# Altium PCB RPI_Gateway 1.0.2.PcbDoc (part 2 of 2)
Units mil, origin at the board's own origin, x right, y up, seen from the top; angles counter-clockwise.
Board outline 3746 x 4465 mil, 2 copper layers (Top Layer, Bottom Layer); 79 components, 100 nets, 612 pads, 56 vias.
Unrouted connection lines stored in the file: 67.
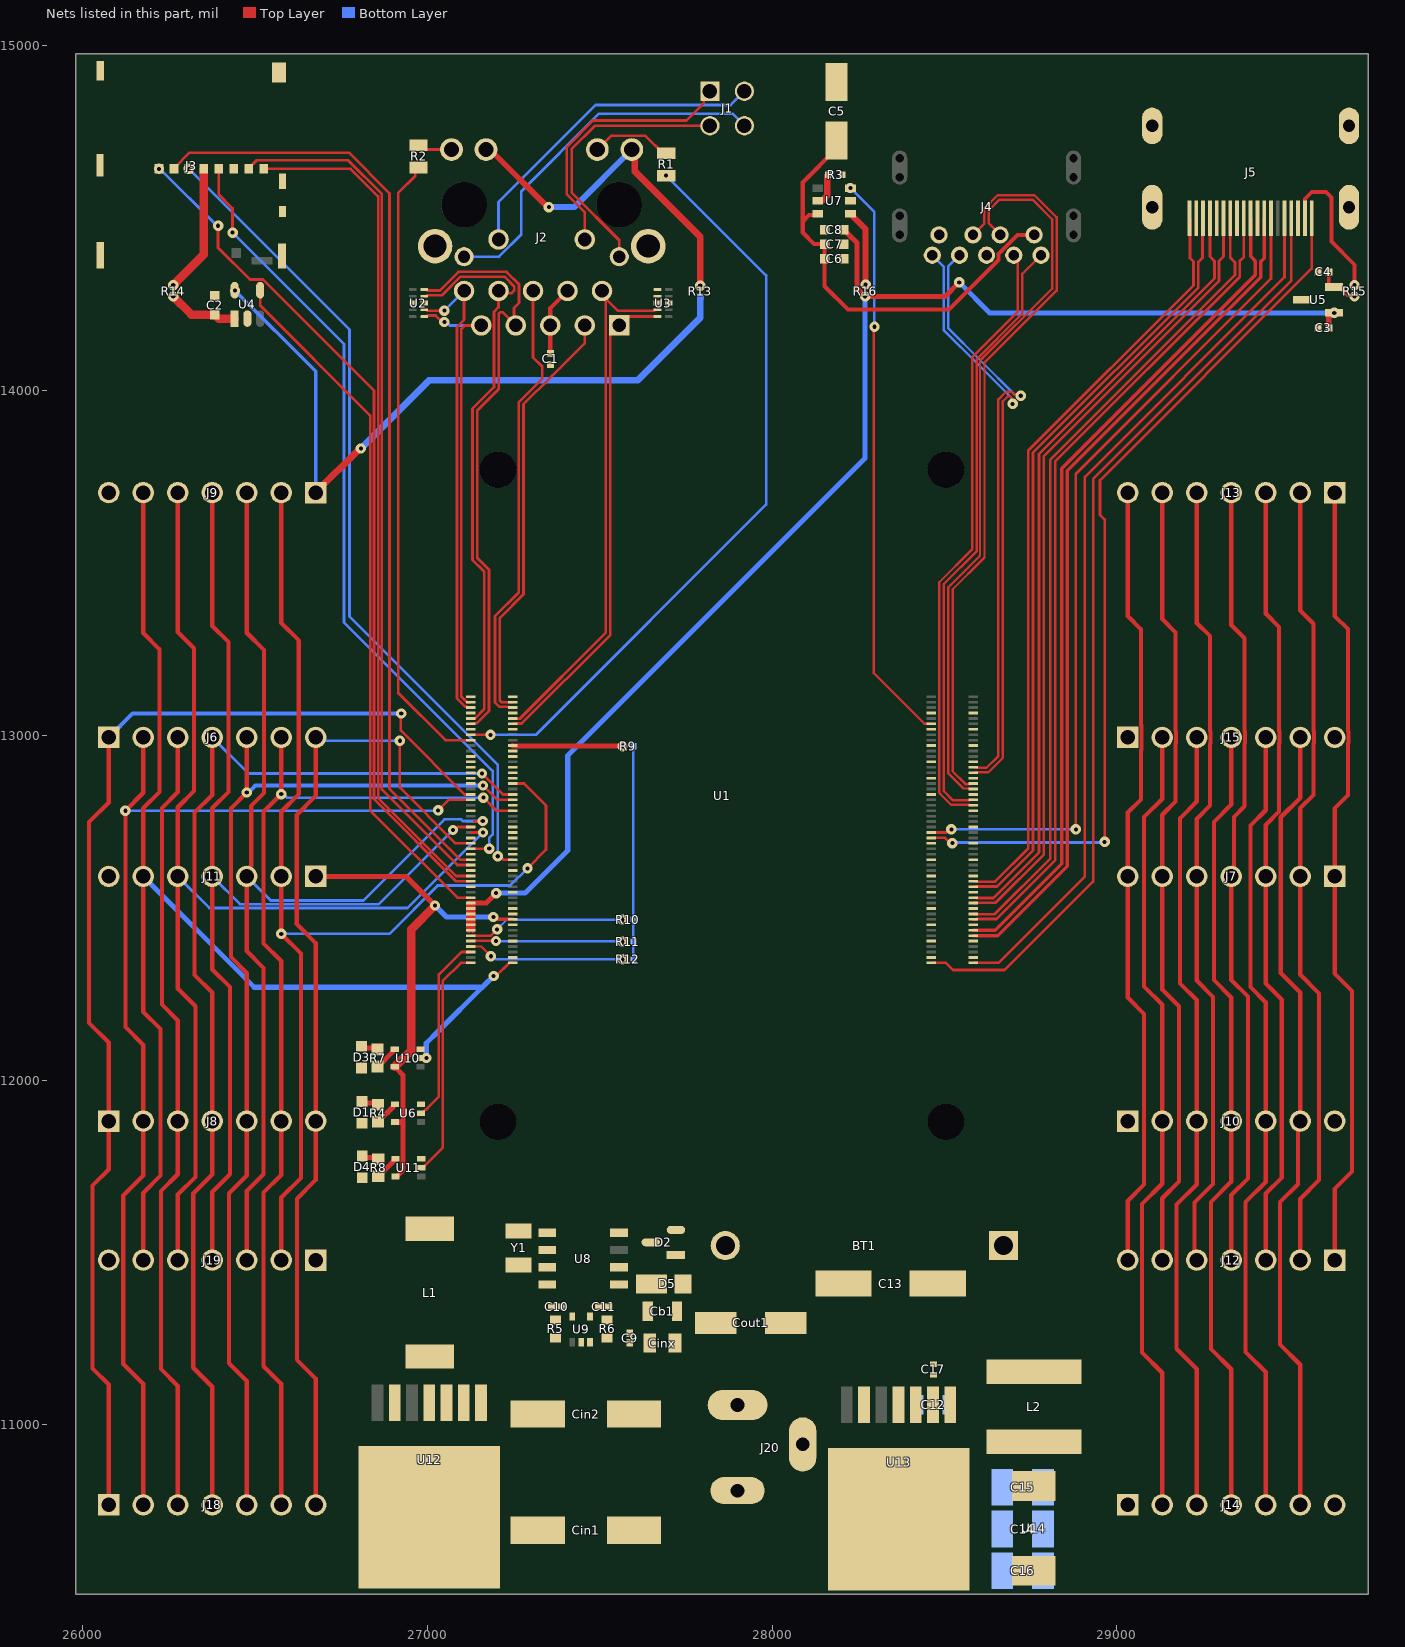
[diagram p2: the nets of this part, all layers, seen from the top]

## Via types
v1: diameter 30, hole 12, Top Layer to Bottom Layer, 56 vias

## Nets (pads, with @x,y where several pads share a name; then routed paths per layer and width w, separated by ;. In a path a pad name is that pad's centre, name@x,y a point inside that pad or via, vN(x,y) a via of type N, cw(c..) or ccw(c..) an arc to the next point about the centre after c; other vN are vias at no path point)
1-D_N: J4.2 U1.136 | length 2127.1
  Top Layer w7: U1.136@28583.35,12843.94 28573.5,12843.94 28572.13,12845.31 28555.3,12845.31 28514.81,12885.81 28511,12889.62 28511,13428.38 28518.62,13436 28599.19,13516.58 28603,13520.38 28603,14085.47 28610.62,14093.09 28812,14294.47 28812,14496 28755,14553 28659.67,14553 28628.67,14522 28628.67,14483.51 J4.2@28661.54,14450.64
1-D_P: J4.3 U1.134 | length 2148.6
  Top Layer w7: J4.3@28582.8,14450.64 28615.67,14483.51 28615.67,14527.38 28654.29,14566 28760.38,14566 28821.19,14505.19 28825,14501.38 28825,14289.09 28616,14080.09 28616,13515 28612.19,13511.19 28524,13423 28524,12895 28560.69,12858.31 28572.13,12858.31 28573.5,12859.69 U1.134@28583.35,12859.69
1-Rx_N: J4.6 U1.128 | length 1717
  Top Layer w7: U1.128@28583.35,12906.93 28593.19,12906.93 28594.56,12905.56 28621.93,12905.56 28656.32,12939.94 28656.32,13973.76 28678.42,13995.87 28694.99,13995.87 28702.9,13987.96 28717.04,13987.96 v1(28721,13984)
  Bottom Layer w7: J4.6@28543.43,14391.58 28510.56,14358.71 28510.56,14180.29 28603.85,14087.01 28702.9,13987.96 28717.04,13987.96 v1(28721,13984)
1-Rx_P: J4.5 U1.130 | length 1717
  Top Layer w7: U1.130@28583.35,12891.18 28593.19,12891.18 28594.56,12892.56 28627.32,12892.56 28669.32,12934.55 28669.32,13968.38 28683.81,13982.87 28689.6,13982.87 28693.71,13978.77 28693.71,13964.63 v1(28697.67,13960.67)
  Bottom Layer w7: J4.5@28464.69,14391.58 28497.56,14358.71 28497.56,14174.91 28598.47,14074.01 28693.71,13978.77 28693.71,13964.63 v1(28697.67,13960.67)
1-Tx_N: J4.9 U1.140 | length 1767.3
  Top Layer w7: U1.140@28583.35,12812.44 28573.5,12812.44 28572.13,12811.07 28524.93,12811.07 28498,12838 28498,13438 28593,13533 28593,14089.62 28718.38,14215 28726,14222.62 28726,14337.93 28743.36,14355.29 J4.9@28779.65,14391.58
1-Tx_P: J4.8 U1.142 | length 1771.6
  Top Layer w7: U1.142@28583.35,12796.69 28573.5,12796.69 28572.13,12798.07 28519.55,12798.07 28488.81,12828.81 28485,12832.62 28485,13443.38 28580,13538.38 28580,14095 28713,14228 28713,14367.86 28700.91,14379.95 J4.8@28700.91,14391.58
"+3V3 A": C10.1 C11.1 D2.1 J10.1 J11.1 J14.1 R5.2 U1.84 U6.5 U10.5 U11.5 | length 1500.5
  Top Layer w10: v1(27192,12473) 27197.41,12473 27204.43,12465.98 U1.84@27247.91,12465.98
  Top Layer w15: J11.1@26677,12590.61 26938.39,12590.61 v1(27023,12506) ; U6.5@26907.2,11878.41 26907.96,11877.64 26929.5,11877.64 26930.51,11876.64 ; U11.5@26908.2,11720.41 26911.74,11720.41 26930.51,11739.18 26930.51,11876.64 ; U10.5@26909.74,12038.41 26910.51,12037.64 26910.51,12034.1 26930.51,12014.1 26930.51,11876.64
  Top Layer w25: U10.5@26906.2,12038.41 26953.69,12085.9 26953.69,12436.69 v1(27023,12506)
  Bottom Layer w15: v1(27023,12506) 27056,12473 v1(27192,12473)
"+3V3 B": J9.1 J15.1 J19.1 R13.1 U1.86 U4.5 | length 2070.5
  Top Layer w10: U4.5@26442.01,14290.07 26443,14289.08 v1(26443,14289)
  Top Layer w20: J9.1@26677,13703.21 26804.79,13831 v1(26808,13831)
  Bottom Layer w10: v1(26443,14289) 26677,14055 J9.1@26677,13703.21
  Bottom Layer w20: v1(26808,13831) 27006,14029 27610,14029 27792,14211 R13.1@27792,14272
+5: C3.1 C8.2 C14.2 C15.2 C16.2 L2.2 R16.2 U1.77 U1.79 U1.81 U1.83 U1.85 U1.87 U5.1 U13.6 | length 4156.1
  Top Layer w15: U1.87@27120.65,12434.49 27120.65,12497.48 U1.77@27120.65,12513.23 ; U1.77@27126.65,12513.23 27171.23,12513.23 v1(27200,12542) ; U1.87@27132.65,12434.49 U1.77@27132.65,12513.23 ; C8.2@28207.56,14466 28224.45,14449.11 28224.85,14449.11 28246,14427.97 28246,14296 v1(28270,14272) 28502,14272 v1(28543,14313) ; C3.1@29614.25,14181 29614.25,14221 29617.75,14224.5 v1(29630,14224.5)
  Bottom Layer w15: v1(27200,12542) 27284,12542 27408,12666 27408,12941 28270,13803 v1(28270,14272) ; v1(28543,14313) 28631.5,14224.5 v1(29630,14224.5)
+12: C13.2 C17.2 Cin1.2 Cin2.2 Cinx.1 J20.1 U12.2 U13.2
CK_N: J5.12 U1.190 | length 2471.2
  Top Layer w10: U1.190@28583.35,12418.74 28654.24,12418.74 28855.92,12620.42 28855.92,13766.65 29416.95,14327.67 29416.95,14373.33 29426.98,14383.36 J5.12@29426.98,14499
CK_P: J5.10 U1.188 | length 2446.6
  Top Layer w10: U1.188@28583.35,12434.49 28647.72,12434.49 28840.18,12626.95 28840.18,13773.18 29401.2,14334.2 29401.2,14374.8 29387.61,14388.39 J5.10@29387.61,14499
D0_N: J5.9 U1.184 | length 2396.9
  Top Layer w8: U1.184@28583.35,12465.98 28593.06,12465.98 28593.94,12466.86 28650.66,12466.86 28821,12637.2 28821,13793 29356,14328 29356,14375 29367.92,14386.92 J5.9@29367.92,14499
D0_P: J5.7 U1.182 | length 2374.4
  Top Layer w8: U1.182@28583.35,12481.73 28593.06,12481.73 28593.94,12480.86 28644.86,12480.86 28807,12643 28807,13798.8 29342,14333.8 29342,14371 29328.55,14384.45 J5.7@29328.55,14499
D1_N: J5.6 U1.178 | length 2323.6
  Top Layer w8: U1.178@28583.35,12513.23 28593.06,12513.23 28593.94,12514.1 28647.9,12514.1 28788,12654.2 28788,13809 29296.18,14317.18 29296.18,14375.18 29308.86,14387.86 J5.6@29308.86,14499
D1_P: J5.4 U1.176 | length 2301.1
  Top Layer w8: U1.176@28583.35,12528.98 28593.06,12528.98 28593.94,12528.1 28642.1,12528.1 28774,12660 28774,13814.8 29283,14323.8 29283,14374 29269.49,14387.51 J5.4@29269.49,14499
D2_N: J5.3 U1.172 | length 2254.4
  Top Layer w8: U1.172@28583.35,12560.47 28593.06,12560.47 28593.94,12561.35 28652.15,12561.35 28756.9,12666.1 28756.9,13819.1 29236,14298.2 29236,14372 29248.3,14384.3 29248.3,14497.49 J5.3@29249.81,14499
D2_P: J5.1 U1.170 | length 2230.2
  Top Layer w8: U1.170@28583.35,12576.22 28593.06,12576.22 28593.94,12575.35 28646.35,12575.35 28742.9,12671.9 28742.9,13824.9 29222,14304 29222,14373 29211.95,14383.05 29211.95,14497.49 J5.1@29210.44,14499
EEPROM_nWP: R9.1 U1.20 | length 319.4
  Top Layer w15: U1.20@27247.91,12969.92 27248.87,12968.96 27565.54,12968.96 v1(27566.5,12968)
GND: BT1.1 C1.2 C2.1 C3.2 C4.2 C5.1 C6.1 C7.1 C8.1 C9.2 C10.2 C13.1 C14.1 C15.1 C16.1 C17.1 Cin1.1 Cin2.1 Cinx.2 Cout1.1 D1.1 D3.1 D4.1 D5.2 J2.S1 J2.S2 J3.6 J3.11 J3.12 J3.13 J3.14 J3.15 J3.16 J3.17 J4.4 J4.7 J5.2 J5.5 J5.8 J5.11 J5.17 J5.Shell J9.7 J10.7 J11.7 J14.7 J15.7 J19.7 J20.2 J20.3 R3.2 R9.2 R10.2 R11.2 R12.2 U1.1 U1.2 U1.7 U1.8 U1.13 U1.14 U1.22 U1.23 U1.32 U1.33 U1.42 U1.43 U1.52 U1.53 U1.59 U1.60 U1.65 U1.66 U1.71 U1.74 U1.98 U1.107 U1.108 U1.113 U1.114 U1.119 U1.120 U1.125 U1.126 U1.131 U1.132 U1.137 U1.138 U1.144 U1.150 U1.155 U1.156 U1.161 U1.162 U1.167 U1.168 U1.173 U1.174 U1.179 U1.180 U1.185 U1.186 U1.191 U1.192 U1.197 U1.198 U2.3@26991.44,14253 U2.8@26958.56,14253 U3.3@27668,14253 U3.8@27700.87,14253 U4.2 U5.3 U6.3 U7.2 U8.4 U9.3 U10.3 U11.3 U12.4 U12.8 U13.4 U13.8 U14.2 | length 618
  Bottom Layer w7.87: R12.2@27598,12350 R9.2@27598,12968
HDMI_PWR: C4.1 R15.1 U5.2 | length 126.4
  Top Layer w11.02: C4.1@29614.25,14343 29614.25,14304.99 29619.74,14299.5 U5.2@29630,14299.5 29645,14299.5 29668.87,14275.63 29685.37,14275.63 v1(29689,14272)
"Modem Reset": J9.6 J10.6 J11.6 J14.6 J15.6 J19.6 U1.92 U1.100 U10.2 | length 6143
  Top Layer w7.87: v1(27193,12302) 27197.23,12306.23 27204.3,12306.23 27238.07,12340 U1.100@27247.91,12340
  Top Layer w12: J19.6@26177,11478 26177,11673 26227,11723 26227,12148 26177,12198 J11.6@26177,12590.61 26177,12788.32 26224,12835.32 26224,13249 26177,13296 J9.6@26177,13703.21 ; J14.6@29531.42,10768.39 29531.42,11174.58 29473,11233 29473,11646 29525,11698 29525,11874.58 J10.6@29531.42,11881 29531.42,12253.58 29475,12310 29475,12762 29531.42,12818.42 J15.6@29531.42,12993.61
  Bottom Layer w15: J11.6@26177,12590.61 26498.61,12269 27160,12269 ; v1(26997.7,12064) 26997.7,12106.7 27033,12142 27160,12269 ; v1(27193,12302) 27168.01,12277.01 ; 27160,12269 27168.01,12277.01 ; 27160,12269 27168.01,12277.01
NetBT1_2: BT1.2 D2.2
NetC1_1: C1.1 J2.4 J2.5 | length 202
  Top Layer w12: C1.1@27357.13,14106.75 27357.13,14238.06 J2.4@27407.13,14288.06
NetC9_1: C9.1 D2.3 U8.8
NetC11_2: C11.2 R6.2 U8.3 U9.2
NetC12_1: C12.1 U13.3
NetC12_2: C12.2 L2.1 U13.1 U14.1
NetCb1_1: Cb1.1 U12.3
NetCb1_2: Cb1.2 D5.1 L1.2 U12.1
NetCout1_2: Cout1.2 L1.1 U12.6
NetD1_2: D1.2 R4.1 | length 50.4
  Top Layer w15: D1.2@26810.83,11937.96 26815.49,11933.29 26852.71,11933.29 R4.1@26857.37,11928.63
NetD3_2: D3.2 R7.1 | length 50.4
  Top Layer w15: D3.2@26809.83,12097.96 26814.49,12093.29 26851.71,12093.29 R7.1@26856.37,12088.63
NetD4_2: D4.2 R8.1 | length 50.4
  Top Layer w15: D4.2@26811.83,11779.96 26816.49,11775.29 26853.71,11775.29 R8.1@26858.37,11770.63
NetJ2_15: J2.15 J2.17 R13.2 | length 1037.7
  Top Layer w17: J2.17@27170.72,14697.91 27182.58,14697.91 27349.48,14531 v1(27353,14531)
  Top Layer w20: J2.15@27593.55,14697.91 27602.16,14689.3 27602.16,14633.84 27792,14444 v1(27792,14303.5)
  Bottom Layer w17: v1(27353,14531) 27426.65,14531 J2.15@27593.55,14697.91
NetJ2_16: J2.16 R1.2 | length 236.9
  Top Layer w7.8: J2.16@27493.55,14697.91 27533.52,14737.88 27632.76,14737.88 27683.16,14687.48 R1.2@27693,14687.48
NetJ2_18: J2.18 R2.2 | length 101
  Top Layer w7.87: R2.2@26975.13,14710.91 26987.93,14698.11 27070.51,14698.11 J2.18@27070.72,14697.91
NetJ3_1: J3.1 U1.69 | length 2490.6
  Top Layer w7.87: v1(26394,14477) 26394,14413.2 26486.18,14321.02 26523.66,14321.02 26845.84,13998.84 26845.84,12814.78 27084.4,12576.22 U1.69@27126.65,12576.22
  Bottom Layer w7.87: v1(26222.69,14642) 26225.85,14642 26390.85,14477 v1(26394,14477)
NetJ3_2: J3.2 U1.61 | length 2741.7
  Top Layer w7.87: J3.2@26266,14642 26266,14643.5 26311.5,14689 26773,14689 26891,14571 26891,12844 27095.79,12639.21 U1.61@27126.65,12639.21
NetJ3_3: J3.3 U1.62 | length 2411
  Top Layer w7.8: v1(27205,12649) 27211.01,12649 27220.79,12639.21 U1.62@27247.91,12639.21
  Bottom Layer w7.8: v1(26309.31,14642) 26775,14176.31 26775,13344 27205,12914 v1(27205,12649)
NetJ3_4: J3.4 R14.2 | length 373.7
  Top Layer w25: v1(26264,14305) 26352.61,14393.61 J3.4@26352.61,14642
NetJ3_5: J3.5 U1.57 | length 2357.5
  Top Layer w7.87: J3.5@26395.92,14642 26395.92,14567.5 26436,14527.42 v1(26436,14457) ; U1.57@27126.65,12670.71 27179.71,12670.71 v1(27180,12671)
  Bottom Layer w7.87: v1(26436,14457) 26759,14134 26759,13327 27190,12896 27190,12712.19 27180,12702.19 v1(27180,12671)
NetJ3_7: J3.7 U1.63 | length 2513.5
  Top Layer w7.87: J3.7@26482.54,14642 26482.54,14643.5 26506.04,14667 26771,14667 26868.87,14569.13 26868.87,12842.13 27087.54,12623.46 U1.63@27126.65,12623.46
NetJ3_8: J3.8 U1.67 | length 2471.6
  Top Layer w7.87: J3.8@26525.84,14642 26778,14642 26858,14562 26858,12818 27084.03,12591.97 U1.67@27126.65,12591.97
NetJ5_13: J5.13 U1.151 | length 2429
  Top Layer w7.8: U1.151@28462.09,12717.95 28504.95,12717.95 28513.99,12727 v1(28520,12727) ; v1(28881,12727) 28881,13758 29446.66,14323.66 J5.13@29446.66,14499
  Bottom Layer w7.8: v1(28520,12727) v1(28881,12727)
NetJ5_15: J5.15 U1.200 | length 2576
  Top Layer w8: U1.200@28583.35,12340 28657,12340 28907,12590 28907,13749 29486.03,14328.03 J5.15@29486.03,14499
NetJ5_16: J5.16 U1.199 | length 2745.1
  Top Layer w7.87: U1.199@28462.09,12340 28504,12340 28525,12319 28674,12319 28931,12576 28931,13743 29505.72,14317.72 J5.16@29505.72,14499
NetJ5_18: J5.18 R15.2 | length 429.6
  Top Layer w11.02: J5.18@29545.09,14499 29545.09,14555.09 29565,14575 29606,14575 29621.99,14559.01 29621.99,14431.01 29689,14364 v1(29689,14305)
NetJ5_19: J5.19 U1.153 | length 2578.3
  Top Layer w7.8: U1.153@28462.09,12702.2 28501.79,12702.2 28516.99,12687 v1(28523,12687) ; v1(28964.42,12690.61) 28964.42,13625.58 28951,13639 28951,13739 29564.77,14352.77 J5.19@29564.77,14499
  Bottom Layer w7.8: v1(28523,12687) 28524.8,12688.8 28962.62,12688.8 v1(28964.42,12690.61)
NetLabel1: J7.1 J12.1 J13.1 U1.50 | length 2300.2
  Top Layer w12: J12.1@29631.42,11478 29631.42,11684.42 29682,11735 29682,12258 29631.42,12308.58 J7.1@29631.42,12590.61 29631.42,12787.42 29670,12826 29670,12975.61 29671.42,12977.04 29671.42,13010.17 29670,13011.6 29670,13307.41 29631.42,13345.99 J13.1@29631.42,13703.21
NetLabel2: J7.2 J12.2 J13.2 U1.49 | length 2303.6
  Top Layer w12: J12.2@29531.42,11478 29531.42,11655.42 29586,11710 29586,12251 29531.42,12305.58 J7.2@29531.42,12590.61 29531.42,12788.32 29570,12826.89 29570,12975.61 29571.42,12977.04 29571.42,13010.17 29570,13011.6 29570,13323 29531.42,13361.58 J13.2@29531.42,13703.21
NetLabel3: J7.3 J12.3 J13.3 U1.29 | length 2296.9
  Top Layer w12: J12.3@29431.42,11478 29431.42,11671.17 29478,11717.75 29478,12233 29431.42,12279.58 J7.3@29431.42,12590.61 29431.42,12739.64 29470,12778.21 29470,12975.61 29471.42,12977.04 29471.42,13010.17 29470,13011.6 29470,13313.62 29431.42,13352.2 J13.3@29431.42,13703.21
NetLabel4: J7.4 J12.4 J13.4 U1.25 | length 2298.6
  Top Layer w12: J12.4@29331.42,11478 29331.42,11666.42 29380,11715 29380,12241.85 29331.42,12290.42 J7.4@29331.42,12590.61 29339,12598.18 29339,12763 29370,12794 29370,12975.61 29371.42,12977.04 29371.42,13010.17 29370,13011.6 29370,13281 29331.42,13319.58 J13.4@29331.42,13703.21
NetLabel5: J7.5 J12.5 J13.5 U1.24 | length 2303.1
  Top Layer w12: J12.5@29231.42,11478 29225,11484.42 29225,11645 29279,11699 29279,12241 29231.42,12288.58 J7.5@29231.42,12590.61 29231.42,12757.56 29270,12796.13 29270,12975.61 29271.42,12977.04 29271.42,13010.17 29270,13011.6 29270,13287 29231.42,13325.58 J13.5@29231.42,13703.21
NetLabel6: J7.6 J12.6 J13.6 U1.27 | length 2298.6
  Top Layer w12: J12.6@29131.42,11478 29131.42,11657.42 29180,11706 29180,12214 29131.42,12262.58 J7.6@29131.42,12590.61 29131.42,12769.42 29170,12808 29170,12975.61 29171.42,12977.04 29171.42,13010.17 29170,13011.6 29170,13298 29131.42,13336.58 J13.6@29131.42,13703.21
NetLabel7: J6.1 J8.1 J18.1 U1.37 | length 3518
  Top Layer w7.87: v1(26925,13063) 26923.79,13061.79 26923.79,13013.08 27108.69,12828.19 U1.37@27126.65,12828.19
  Top Layer w12: J18.1@26077,10768.39 26077,11117 26030,11164 26030,11694 26077,11741 J8.1@26077,11881 26077,12109 26020,12166 26020,12558.11 26020,12748 26077,12805 J6.1@26077,12993.61
  Bottom Layer w12: J6.1@26077,12993.61 26146.39,13063 v1(26925,13063)
NetLabel8: J6.2 J8.2 J18.2 U1.39 | length 3331
  Top Layer w7.87: v1(27032,12782) 27062.44,12812.44 U1.39@27126.65,12812.44
  Top Layer w12: J18.2@26177,10768.39 26177,11119.41 26119,11177.41 26119,11665 26177,11723 J8.2@26177,11881 26177,12102 26125,12154 v1(26125,12781) 26177,12833 J6.2@26177,12993.61
  Bottom Layer w7.87: v1(26125,12781) 27031,12781 v1(27032,12782)
NetLabel9: J6.3 J8.3 J18.3 U1.58 | length 2303.9
  Top Layer w12: J18.3@26277,10768.39 26277,11113 26228,11162 26228,11678 26277,11727 J8.3@26277,11881 26277,12173 26231,12219 26231,12789 26277,12835 J6.3@26277,12993.61
NetLabel10: J6.4 J8.4 J18.4 U1.38 | length 3252.5
  Top Layer w7.87: v1(27159,12889) 27219.81,12828.19 U1.38@27247.91,12828.19
  Top Layer w12: J18.4@26377,10768.39 26377,11111 26322,11166 26322,11671 26377,11726 J8.4@26377,11881 26377,12254 26326,12305 26326,12776 26377,12827 J6.4@26377,12993.61
  Bottom Layer w7.87: J6.4@26377,12993.61 26481.61,12889 v1(27159,12889)
NetLabel12: J6.5 J8.5 J18.5 U1.40 | length 3102
  Top Layer w7.87: v1(27162,12854) 27203.56,12812.44 U1.40@27247.91,12812.44
  Top Layer w12: J18.5@26477,10768.39 26477,11128 26426,11179 26426,11672 26477,11723 J8.5@26477,11881 26477,12311 26431,12357 26431,12788 v1(26477,12834) J6.5@26477,12993.61
  Bottom Layer w12: v1(26477,12834) 26481.87,12834 26501.87,12854 v1(27162,12854)
NetLabel13: J6.6 J8.6 J18.6 U1.44 | length 3000.5
  Top Layer w7.87: v1(27163,12819) 27201.06,12780.94 U1.44@27247.91,12780.94
  Top Layer w12: J18.6@26577,10768.39 26577,11119.41 26526,11170.41 26526,11674 26577,11725 J8.6@26577,11881 26577,12345 26526,12396 26526,12778 v1(26577,12829) J6.6@26577,12993.61
  Bottom Layer w7.87: v1(26577,12829) 26582.99,12829 26592.99,12819 v1(27163,12819)
NetLabel14: J9.2 J10.2 J11.2 J14.2 J15.2 J19.2 U1.34 | length 5752.3
  Top Layer w7.87: U1.34@27247.91,12859.69 27281.31,12859.69 27345,12796 27345,12668 v1(27291,12614)
  Top Layer w12: J19.2@26577,11478 26577,11659.62 26634,11716.62 26634,12367 v1(26577,12424) J11.2@26577,12590.61 26577,12778 26628,12829 26628,13274 26577,13325 J9.2@26577,13703.21 ; J14.2@29131.42,10768.39 29131.42,11151.58 29073,11210 29073,11641 29131.42,11699.42 J10.2@29131.42,11881 29131.42,12218.58 29079,12271 29079,12763 29131.42,12815.42 J15.2@29131.42,12993.61
  Bottom Layer w7.87: v1(26577,12424) 26891,12424 27030.94,12563.94 27240.94,12563.94 v1(27291,12614)
NetLabel15: J9.3 J10.3 J11.3 J14.3 J15.3 J19.3 U1.54 | length 5459
  Top Layer w8: 27136.43,12749.51 27159.51,12749.51 v1(27161.33,12751.33)
  Top Layer w12: J19.3@26477,11478 26477,11678 26526,11727 26526,12325 26477,12374 J11.3@26477,12590.61 26487.36,12600.96 26487.36,12619.64 26490,12622.28 26490,12795 26527,12832 26527,13247 26477,13297 J9.3@26477,13703.21 ; J14.3@29231.42,10768.39 29231.42,11162.58 29173,11221 29173,11639 29231.42,11697.42 J10.3@29231.42,11881 29231.42,12232.01 29183,12280.44 29183,12759 29231.42,12807.42 J15.3@29231.42,12993.61
  Bottom Layer w8: J11.3@26477,12590.61 26546.61,12521 26815,12521 27050,12756 27098.24,12756 27102.92,12751.33 v1(27161.33,12751.33)
NetLabel16: J9.4 J10.4 J11.4 J14.4 J15.4 J19.4 U1.28 | length 5497.5
  Top Layer w8: v1(27075,12725) 27079.87,12725 27088.57,12733.7 27126.65,12733.7
  Top Layer w12: J19.4@26377,11478 26377,11676 26428,11727 26428,12270 26377,12321 J11.4@26377,12590.61 26377,12788.32 26424,12835.32 26424,13270 26377,13317 J9.4@26377,13703.21 ; J14.4@29331.42,10768.39 29331.42,11161.58 29273,11220 29273,11647 29331.42,11705.42 J10.4@29331.42,11881 29331.42,12239.58 29281,12290 29281,12748 29331.42,12798.42 J15.4@29331.42,12993.61
  Bottom Layer w8: J11.4@26377,12590.61 26457.61,12510 26860,12510 v1(27075,12725)
NetLabel17: J9.5 J10.5 J11.5 J14.5 J15.5 J19.5 U1.31 | length 5665.8
  Top Layer w7.87: 27126.65,12717.95 v1(27162,12718) v1(27162,12718)
  Top Layer w12: J19.5@26277,11478 26277,11667.91 26328,11718.91 26328,12214 26277,12265 J11.5@26277,12590.61 26277,12791 26324,12838 26324,13252 26277,13299 J9.5@26277,13703.21 ; J14.5@29431.42,10768.39 29431.42,11153.58 29373,11212 29373,11646 29431.42,11704.42 J10.5@29431.42,11881 29431.42,12225.58 29387,12270 29387,12738 29431.42,12782.42 J15.5@29431.42,12993.61
  Bottom Layer w8: J11.5@26277,12590.61 26368.61,12499 26943,12499 v1(27162,12718)
NetLabel18: J6.7 J7.7 J8.7 J12.7 J13.7 J18.7 U1.55 | length 5269.8
  Top Layer w7.87: v1(26921,12984) 26921,12847.98 27082.52,12686.46 U1.55@27126.65,12686.46
  Top Layer w12: J18.7@26677,10768.39 26677,11135 26623,11189 26623,11656 26677,11710 J8.7@26677,11881 26677,12398 26622,12453 26622,12769 26677,12824 J6.7@26677,12993.61 ; J12.7@29031.42,11478 29031.42,11649.42 29079,11697 29079,12192 29031.42,12239.58 J7.7@29031.42,12590.61 29031.42,12775.42 29070,12814 29070,12957.45 29071.42,12958.88 29071.42,13028.33 29070,13029.76 29070,13307 29031.42,13345.58 J13.7@29031.42,13703.21
  Bottom Layer w7.87: J6.7@26677,12993.61 26686.61,12984 v1(26921,12984)
NetR1_1: R1.1 U1.15 | length 2206.9
  Top Layer w7.87: U1.15@27126.65,13001.42 27183.58,13001.42 v1(27184,13001)
  Bottom Layer w7.87: v1(27184,13001) 27315,13001 27983,13669 27983,14332.52 v1(27693,14622.52)
NetR2_1: R2.1 U1.17 | length 1815
  Top Layer w7.87: R2.1@26975.13,14645.94 26966.01,14636.82 26966.01,14622.01 26916,14572 26916,13123 27053.33,12985.67 U1.17@27126.65,12985.67
NetR3_1: R3.1 U7.5 | length 94.7
  Top Layer w18.7: U7.5@28132.63,14549 28134.11,14550.48 28145.48,14550.48 28160.73,14565.73 28160.73,14622.41 R3.1@28162.82,14624.51
NetR4_2: R4.2 U6.4 | length 73.5
  Top Layer w15: R4.2@26857.37,11879.37 26858.38,11879.37 26902.88,11923.88 26902.88,11928.82 26903.65,11929.59 U6.4@26907.2,11929.59
NetR5_1: R5.1 R6.1 U9.5
NetR7_2: R7.2 U10.4 | length 73.5
  Top Layer w15: R7.2@26856.37,12039.37 26857.38,12039.37 26901.88,12083.88 26901.88,12088.82 26902.65,12089.59 U10.4@26906.2,12089.59
NetR8_2: R8.2 U11.4 | length 73.5
  Top Layer w15: R8.2@26858.37,11721.37 26859.38,11721.37 26903.88,11765.88 26903.88,11770.82 26904.65,11771.59 U11.4@26908.2,11771.59
NetR10_1: R10.1 U1.89 | length 459
  Top Layer w7: U1.89@27126.65,12418.74 27184.74,12418.74 v1(27203,12437)
  Bottom Layer w7: v1(27203,12437) 27231,12465 v1(27566.5,12465)
NetR11_1: R11.1 U1.91 | length 441
  Top Layer w7: U1.91@27126.65,12402.99 27127.09,12403.43 27199.55,12403.43 v1(27199.69,12403.29)
  Bottom Layer w7: v1(27199.69,12403.29) 27200.48,12402.5 27565,12402.5 v1(27566.5,12401)
NetR12_1: R12.1 U1.93 | length 455.3
  Top Layer w7: U1.93@27126.65,12387.24 27156.76,12387.24 v1(27185,12359)
  Bottom Layer w7: v1(27185,12359) 27191.22,12359 27200.22,12350 v1(27566.5,12350)
NetR16_1: R16.1 U7.1 | length 226.3
  Top Layer w17: U7.1@28227.12,14511.6 28232.04,14511.6 28234.37,14509.27 28234.37,14504.35 28271.53,14467.18 v1(28271.53,14306.53)
NetU1_30: U1.30
NetU1_75: U1.75 U4.4 | length 2036.7
  Top Layer w7.8: U4.4@26515.99,14290.07 26515.99,14246.49 26835,13927.48 26835,12782.01 27088.03,12528.98 U1.75@27126.65,12528.98
NetU1_80: U1.80 U8.6
NetU1_82: U1.82 U8.5
NetU1_95: U1.95 U6.2 | length 545.9
  Top Layer w8: U6.2@26982,11904 26985.54,11904 26995.87,11914.32 26996.71,11914.32 27000.81,11918.42 27000.81,11919.27 27034,11952.46 27034,12306 27099.43,12371.43 27126.59,12371.43 U1.95@27126.65,12371.5
NetU1_99: U1.99 U9.4 U11.2 | length 672.9
  Top Layer w8: U11.2@26983,11746 26986.54,11746 26993.37,11752.82 26994.21,11752.82 27045,11803.61 27045,12287 27098,12340 U1.99@27126.65,12340
NetU1_111: U1.111 U7.3 | length 1664.2
  Top Layer w7: v1(28297,14184) 28295,14182 28295,13180 28441.65,13033.35 28461.65,13033.35 U1.111@28462.09,13032.91
  Bottom Layer w7: v1(28227.12,14586.4) 28297,14516.52 v1(28297,14184)
NetU8_1: U8.1 Y1.2
NetU8_2: U8.2 Y1.1
SD_PWR: C2.2 R14.1 U4.1 | length 204.6
  Top Layer w25: v1(26264,14272) 26316.56,14219.44 C2.2@26384,14219.44 26395.51,14207.93 U4.1@26442.01,14207.93
TR0_TAP: J1.03 J2.11 | length 798.1
  Top Layer w7.8: J2.11@27557.13,14387.28 27557.13,14435.05 27419,14573.18 27419,14699 27487,14767 J1.03@27820,14767
TR1_TAP: J1.01 J2.12 | length 782
  Top Layer w7.8: J2.12@27457.13,14437.28 27457.13,14515.87 27405,14568 27405,14706 27480.98,14781.98 27751.98,14781.98 27801.92,14831.92 27801.92,14848.92 J1.01@27820,14867
TR2_TAP: J1.02 J2.13 | length 954.6
  Bottom Layer w7.8: J2.13@27207.13,14437.28 27207.13,14546.13 27488,14827 27880,14827 J1.02@27920,14867
TR3_TAP: J1.04 J2.14 | length 1072
  Bottom Layer w7.8: J2.14@27107.13,14387.28 27208.87,14387.28 27273,14451.4 27273,14576 27498.85,14801.85 27885.15,14801.85 J1.04@27920,14767
TRD0_N: J2.2 U1.10 U3.4 | length 1532.8
  Top Layer w7.8: U1.10@27247.91,13048.66 27257.76,13048.66 27258.73,13047.69 27268.59,13047.69 27517.55,13296.64 J2.2@27517.55,14263.69 ; J2.2@27507.13,14288.06 27507.13,14276.87 27518.93,14265.07 27553.63,14230.37 27657.87,14230.37 27660.81,14233.31 U3.4@27668,14233.31
TRD0_P: J2.1 U1.12 U3.5 | length 1486.4
  Top Layer w7.8: U1.12@27247.91,13032.91 27257.76,13032.91 27258.73,13033.89 27274.31,13033.89 27531.35,13290.93 J2.1@27531.35,14213.85 ; J2.1@27557.13,14188.06 J2.1@27531.35,14213.85 ; U3.5@27668,14213.63 27667.96,14213.67 27660.78,14213.67 27660.6,14213.85 J2.1@27531.35,14213.85
TRD1_N: J2.6 U1.6 U3.2 | length 1318.1
  Top Layer w7.8: U1.6@27247.91,13080.16 27238.07,13080.16 27236.09,13082.14 27209.65,13082.14 27197,13094.8 27197,13345.52 27265.86,13414.38 27265.86,13965.38 27334,14033.52 27334,14068.16 27307.13,14095.02 J2.6@27307.13,14288.06
TRD1_P: J2.3 U1.4 U3.1 | length 1228.6
  Top Layer w7.8: U1.4@27247.91,13095.91 U1.4@27247.91,13095.91 27215.37,13095.94 27210.8,13100.51 27210.8,13339.8 27279.66,13408.66 27279.66,13959.66 27361.89,14041.89 27457.13,14137.13 J2.3@27457.13,14188.06
TRD2_N: J2.8 U1.9 U2.4 | length 1667.7
  Top Layer w7.87: U2.4@26991.44,14272.69 26998.62,14272.69 27001.53,14275.59 27042.87,14275.59 27096.84,14329.56 27224.32,14329.56 27252.26,14301.62 27252.26,14289.36 27244.02,14281.12 27214.08,14281.12 J2.8@27207.13,14288.06 27207.13,14240.94 27193.76,14227.57 27193.76,14009.15 27131.43,13946.82 27131.43,13508.24 27165.71,13473.96 27165.71,13075.94 27138.43,13048.66 U1.9@27126.65,13048.66
TRD2_P: J2.7 U1.11 U2.5 | length 1760.4
  Top Layer w7.87: U2.5@26991.44,14292.37 26998.62,14292.37 27001.53,14289.47 27037.12,14289.47 27091.09,14343.43 27230.07,14343.43 27266.14,14307.37 27266.14,14252.94 27251.7,14238.5 J2.7@27251.7,14193.49 ; U1.11@27126.65,13032.91 27136.5,13032.91 27138.37,13034.79 27144.18,13034.79 27179.58,13070.19 27179.58,13479.71 27145.31,13513.98 27145.31,13941.08 27207.63,14003.4 27207.63,14221.82 27212.24,14226.43 27218.77,14226.43 J2.7@27251.7,14193.49 ; J2.7@27257.13,14188.06 J2.7@27251.7,14193.49
TRD3_N: J2.10 U1.5 U2.2 | length 1381.8
  Top Layer w7.87: U2.2@26991.44,14233.31 26998.62,14233.31 27000.94,14231 v1(27050,14231) ; J2.10@27107.13,14288.06 27107.13,14204.27 27086.45,14183.59 27086.45,13106.12 27109.54,13083.03 27113.94,13083.03 27116.81,13080.16 U1.5@27126.65,13080.16
  Bottom Layer w7.87: v1(27050,14231) J2.10@27107.13,14288.06
TRD3_P: J2.9 U1.3 U2.1 | length 1341.6
  Top Layer w7.87: U2.1@26991.44,14213.63 26998.62,14213.63 27002.12,14217.13 27024.89,14217.13 27044.01,14198 v1(27050,14198) ; U1.3@27126.65,13095.91 27114.87,13095.91 27099.33,13111.45 27099.33,14178.26 27109.14,14188.06 J2.9@27157.13,14188.06
  Bottom Layer w7.87: v1(27050,14198) 27055.99,14198 27065.92,14188.06 J2.9@27157.13,14188.06
VBUS: C5.2 C6.2 C7.2 J4.1 U7.6 | length 1296.8
  Top Layer w12: U7.6@28132.63,14511.6 28129.63,14508.6 28107.6,14508.6 28089,14490 ; C7.2@28152.44,14424 28122,14424 28089,14457 28089,14490 ; C7.2@28152.44,14425.25 C6.2@28152.44,14382 28152.44,14301.56 28220,14234 28512.67,14234 28656.17,14377.5 28656.17,14394.93 28711.88,14450.64 J4.1@28759.97,14450.64 ; C5.2@28187,14724.35 28187,14700.73 28089,14602.73 28089,14490
pads on no net: J2. J3.9 J3.10 J4.10 J4.11 J4.12 J4.13 J4.S_1_H1 J4.S_1_H2 J4.S_2_H1 J4.S_2_H2 J4.S_3_H1 J4.S_3_H2 J4.S_4_H1 J4.S_4_H2 J5.14 U1.16 U1.18 U1.19 U1.21 U1.26 U1.35 U1.36 U1.41 U1.45 U1.46 U1.47 U1.48 U1.51 U1.56 U1.64 U1.68 U1.70 U1.72 U1.73 U1.76 U1.78 U1.88 U1.90 U1.94 U1.96 U1.97 U1.101 U1.102 U1.103 U1.104 U1.105 U1.106 U1.109 U1.110 U1.112 U1.115 U1.116 U1.117 U1.118 U1.121 U1.122 U1.123 U1.124 U1.127 U1.129 U1.133 U1.135 U1.139 U1.141 U1.143 U1.145 U1.146 U1.147 U1.148 U1.149 U1.152 U1.154 U1.157 U1.158 U1.159 U1.160 U1.163 U1.164 U1.165 U1.166 U1.169 U1.171 U1.175 U1.177 U1.181 U1.183 U1.187 U1.189 U1.193 U1.194 U1.195 U1.196 U1.Un1 U1.Un2 U1.Un3 U1.Un4 U2.3@26991.44,14253 U2.6 U2.7 U2.8@26958.56,14253 U2.9 U2.10 U3.3@27668,14253 U3.6 U3.7 U3.8@27700.87,14253 U3.9 U3.10 U4.3 U6.1 U7.4 U8.7 U9.1 U10.1 U11.1 U12.5 U12.7 U13.5 U13.7

## Polygon pours and split planes (outlines as drawn)
GND on Bottom Layer "NONET_L02_P000" (solid, shelved, pour order 0): 25982,10510 25982,14975 29728,14975 29728,10510
GND on Top Layer "NONET_L01_P001" (solid, shelved, pour order 1): 25982,10510 25982,14975 29728,14975 29728,10510

## Silkscreen, mask and mechanical layers (free items; w line width, h text height)
Mechanical 1:
  the board outline again, w10

## Text inside footprints (layer, text, board x,y; h text height)
J4: Top 3D Body "*" at 28872.47,14475.64 h20 r180; Top Overlay "*" at 28872.47,14475.64 h20 r180
J5: Mechanical 2 "PCB Edge" at 29460.82,14938.13 h20 r180
U12: Top 3D Body "*" at 27213.5,11090.01 h20 r180; Top Overlay "*" at 27213.5,11090.01 h20 r180
U13: Top 3D Body "*" at 28574.5,11084.14 h20 r180; Top Overlay "*" at 28574.5,11084.14 h20 r180